# KiCad board data-center-ddr5-tester.kicad_pcb (continued)
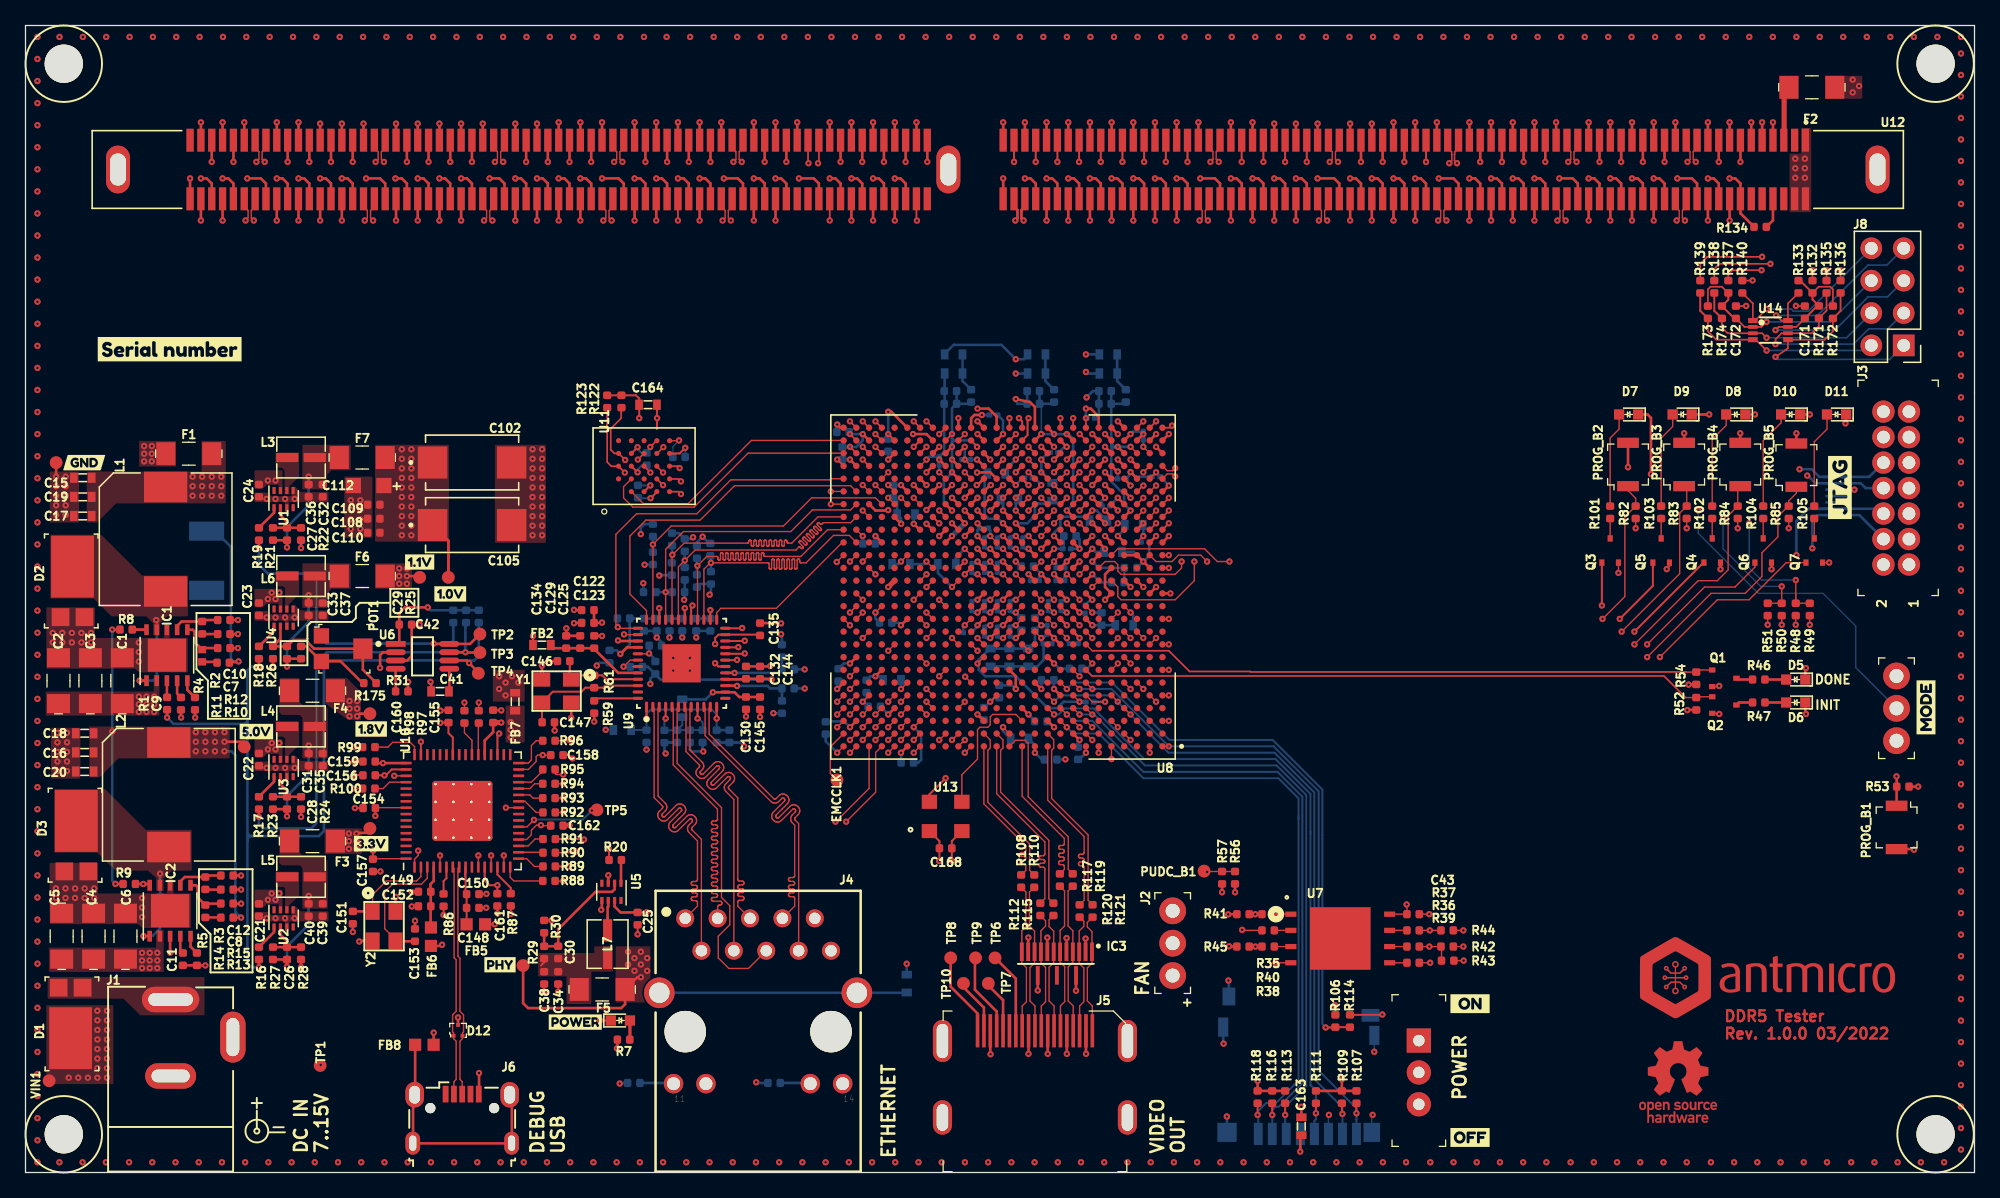
[diagram p0: board, top side]
## Routing (per net, layer and track width the routed paths; a pad name or vN(x,y) marks a point on that pad's centre or on a via; arc(x,y) is an arc through that point) (continued)
DQ25_A: length 53.5
  Top w0.2: U12.42 v4(104.7,79.3) ; U8.AE2 v4(88.64,57.94)
  In2.Cu w0.127: v4(88.64,57.94) 89.14,57.44 102.39,57.44 104.7,59.75 104.7,73.11 104.7,73.14 104.69,73.17 104.67,73.19 104.65,73.21 104.63,73.23 104.6,73.24 104.57,73.24 104.43,73.24 104.4,73.24 104.37,73.25 104.35,73.27 104.33,73.29 104.31,73.31 104.3,73.34 104.3,73.37 104.3,73.39 104.31,73.42 104.33,73.45 104.35,73.47 104.37,73.48 104.4,73.49 104.43,73.49 104.97,73.49 105,73.5 105.03,73.51 105.05,73.52 105.07,73.54 105.09,73.56 105.1,73.59 105.1,73.62 105.1,73.65 105.09,73.68 105.07,73.7 105.05,73.72 105.03,73.73 105,73.74 104.97,73.75 104.43,73.75 104.4,73.75 104.37,73.76 104.35,73.77 104.33,73.79 104.31,73.82 104.3,73.85 104.3,73.87 104.3,73.9 104.31,73.93 104.33,73.95 104.35,73.97 104.37,73.99 104.4,74 104.43,74 104.97,74 105,74 105.03,74.01 105.05,74.03 105.07,74.05 105.09,74.07 105.1,74.1 105.1,74.13 105.1,74.16 105.09,74.18 105.07,74.21 105.05,74.23 105.03,74.24 105,74.25 104.97,74.25 104.43,74.25 104.4,74.26 104.37,74.27 104.35,74.28 104.33,74.3 104.31,74.33 104.3,74.35 104.3,74.38 104.3,74.41 104.31,74.44 104.33,74.46 104.35,74.48 104.37,74.5 104.4,74.51 104.43,74.51 104.97,74.51 105,74.51 105.03,74.52 105.05,74.54 105.07,74.56 105.09,74.58 105.1,74.61 105.1,74.64 105.1,74.66 105.09,74.69 105.07,74.72 105.05,74.74 105.03,74.75 105,74.76 104.97,74.76 104.43,74.76 104.4,74.77 104.37,74.78 104.35,74.79 104.33,74.81 104.31,74.83 104.3,74.86 104.3,74.89 104.3,74.92 104.31,74.95 104.33,74.97 104.35,74.99 104.37,75 104.4,75.01 104.43,75.02 104.97,75.02 105,75.02 105.03,75.03 105.05,75.04 105.07,75.06 105.09,75.09 105.1,75.12 105.1,75.14 105.1,75.17 105.09,75.2 105.07,75.22 105.05,75.24 105.03,75.26 105,75.27 104.97,75.27 104.43,75.27 104.4,75.27 104.37,75.28 104.35,75.3 104.33,75.32 104.31,75.34 104.3,75.37 104.3,75.4 104.3,75.43 104.31,75.45 104.33,75.48 104.35,75.5 104.37,75.51 104.4,75.52 104.43,75.53 104.97,75.53 105,75.53 105.03,75.54 105.05,75.55 105.07,75.57 105.09,75.6 105.1,75.62 105.1,75.65 105.1,75.68 105.09,75.71 105.07,75.73 105.05,75.75 105.03,75.77 105,75.78 104.97,75.78 104.43,75.78 104.4,75.78 104.37,75.79 104.35,75.81 104.33,75.83 104.31,75.85 104.3,75.88 104.3,75.91 104.3,75.93 104.31,75.96 104.33,75.99 104.35,76.01 104.37,76.02 104.4,76.03 104.43,76.03 104.97,76.03 105,76.04 105.03,76.05 105.05,76.06 105.07,76.08 105.09,76.1 105.1,76.13 105.1,76.16 105.1,76.19 105.09,76.22 105.07,76.24 105.05,76.26 105.03,76.27 105,76.28 104.97,76.29 104.43,76.29 104.4,76.29 104.37,76.3 104.35,76.31 104.33,76.33 104.31,76.36 104.3,76.39 104.3,76.41 104.3,76.44 104.31,76.47 104.33,76.49 104.35,76.51 104.37,76.53 104.4,76.54 104.43,76.54 104.97,76.54 105,76.54 105.03,76.55 105.05,76.57 105.07,76.59 105.09,76.61 105.1,76.64 105.1,76.67 105.1,76.7 105.09,76.72 105.07,76.75 105.05,76.77 105.03,76.78 105,76.79 104.97,76.8 104.43,76.8 104.4,76.8 104.37,76.81 104.35,76.82 104.33,76.84 104.31,76.87 104.3,76.89 104.3,76.92 104.3,76.95 104.31,76.98 104.33,77 104.35,77.02 104.37,77.04 104.4,77.05 104.43,77.05 104.97,77.05 105,77.05 105.03,77.06 105.05,77.08 105.07,77.1 105.09,77.12 105.1,77.15 105.1,77.18 105.1,77.2 105.09,77.23 105.07,77.26 105.05,77.28 105.03,77.29 105,77.3 104.97,77.3 104.43,77.3 104.4,77.31 104.37,77.32 104.35,77.33 104.33,77.35 104.31,77.37 104.3,77.4 104.3,77.43 104.3,77.46 104.31,77.49 104.33,77.51 104.35,77.53 104.37,77.54 104.4,77.55 104.43,77.56 104.97,77.56 105,77.56 105.03,77.57 105.05,77.58 105.07,77.6 105.09,77.63 105.1,77.66 105.1,77.68 105.1,77.71 105.09,77.74 105.07,77.76 105.05,77.78 105.03,77.8 105,77.81 104.97,77.81 104.43,77.81 104.4,77.81 104.37,77.82 104.35,77.84 104.33,77.86 104.31,77.88 104.3,77.91 104.3,77.94 104.3,77.97 104.31,77.99 104.33,78.02 104.35,78.04 104.37,78.05 104.4,78.06 104.43,78.06 104.97,78.06 105,78.07 105.03,78.08 105.05,78.09 105.07,78.11 105.09,78.14 105.1,78.16 105.1,78.19 105.1,78.22 105.09,78.25 105.07,78.27 105.05,78.29 105.03,78.31 105,78.32 104.97,78.32 104.43,78.32 104.4,78.32 104.37,78.33 104.35,78.35 104.33,78.37 104.31,78.39 104.3,78.42 104.3,78.45 104.3,78.47 104.31,78.5 104.33,78.53 104.35,78.55 104.37,78.56 104.4,78.57 104.43,78.57 104.57,78.57 104.6,78.58 104.63,78.59 104.65,78.6 104.67,78.62 104.69,78.64 104.7,78.67 104.7,78.7 v4(104.7,79.3)
DQ25_B: length 77.3
  Top w0.2: U12.135 v1(20.55,79.3) ; U8.Y17 v1(72.64,52.94)
  In7.Cu w0.127: v1(20.55,79.3) 20.55,78.95 20.55,78.92 20.54,78.89 20.52,78.87 20.5,78.85 20.48,78.84 20.45,78.83 20.42,78.82 20.24,78.82 20.21,78.82 20.19,78.81 20.16,78.8 20.14,78.78 20.13,78.75 20.12,78.72 20.12,78.7 20.12,78.67 20.13,78.64 20.14,78.62 20.16,78.6 20.19,78.58 20.21,78.57 20.24,78.57 20.86,78.57 20.89,78.57 20.91,78.56 20.94,78.54 20.96,78.52 20.97,78.5 20.98,78.47 20.98,78.44 20.98,78.41 20.97,78.39 20.96,78.36 20.94,78.34 20.91,78.33 20.89,78.32 20.86,78.31 20.24,78.31 20.21,78.31 20.19,78.3 20.16,78.29 20.14,78.27 20.13,78.24 20.12,78.22 20.12,78.19 20.12,78.16 20.13,78.13 20.14,78.11 20.16,78.09 20.19,78.07 20.21,78.06 20.24,78.06 20.81,78.06 20.84,78.06 20.86,78.05 20.89,78.03 20.91,78.01 20.92,77.99 20.93,77.96 20.93,77.93 20.93,77.91 20.92,77.88 20.91,77.85 20.89,77.83 20.86,77.82 20.84,77.81 20.81,77.81 20.24,77.81 20.21,77.8 20.19,77.79 20.16,77.78 20.14,77.76 20.13,77.74 20.12,77.71 20.12,77.68 20.12,77.65 20.13,77.62 20.14,77.6 20.16,77.58 20.19,77.57 20.21,77.56 20.24,77.55 20.86,77.55 20.89,77.55 20.91,77.54 20.94,77.53 20.96,77.51 20.97,77.48 20.98,77.45 20.98,77.43 20.98,77.4 20.97,77.37 20.96,77.35 20.94,77.33 20.91,77.31 20.89,77.3 20.86,77.3 20.24,77.3 20.21,77.3 20.19,77.29 20.16,77.27 20.14,77.25 20.13,77.23 20.12,77.2 20.12,77.17 20.12,77.14 20.13,77.12 20.14,77.09 20.16,77.07 20.19,77.06 20.21,77.05 20.24,77.05 20.86,77.05 20.89,77.04 20.91,77.03 20.94,77.02 20.96,77 20.97,76.97 20.98,76.95 20.98,76.92 20.98,76.89 20.97,76.86 20.96,76.84 20.94,76.82 20.91,76.8 20.89,76.79 20.86,76.79 20.24,76.79 20.21,76.79 20.19,76.78 20.16,76.76 20.14,76.74 20.13,76.72 20.12,76.69 20.12,76.66 20.12,76.64 20.13,76.61 20.14,76.58 20.16,76.56 20.19,76.55 20.21,76.54 20.24,76.54 20.86,76.54 20.89,76.53 20.91,76.52 20.94,76.51 20.96,76.49 20.97,76.47 20.98,76.44 20.98,76.41 20.98,76.38 20.97,76.35 20.96,76.33 20.94,76.31 20.91,76.3 20.89,76.29 20.86,76.28 20.24,76.28 20.21,76.28 20.19,76.27 20.16,76.26 20.14,76.24 20.13,76.21 20.12,76.18 20.12,76.16 20.12,76.13 20.13,76.1 20.14,76.08 20.16,76.06 20.19,76.04 20.21,76.03 20.24,76.03 20.86,76.03 20.89,76.03 20.91,76.02 20.94,76 20.96,75.98 20.97,75.96 20.98,75.93 20.98,75.9 20.98,75.87 20.97,75.85 20.96,75.82 20.94,75.8 20.91,75.79 20.89,75.78 20.86,75.78 20.68,75.78 20.65,75.77 20.62,75.76 20.6,75.75 20.58,75.73 20.56,75.7 20.55,75.68 20.55,75.65 20.55,74.28 30.64,64.19 52.39,64.19 63.64,52.94 v1(72.64,52.94)
DQ26_A: length 53.5
  Top w0.2: U12.185 v4(105.55,74.7) ; U8.AD1 v4(88.64,56.94)
  In2.Cu w0.127: v4(105.55,74.7) 105.55,73.25 105.55,73.22 105.54,73.19 105.52,73.17 105.5,73.15 105.48,73.14 105.45,73.13 105.42,73.12 105.28,73.12 105.26,73.12 105.23,73.11 105.2,73.1 105.18,73.08 105.17,73.05 105.16,73.02 105.16,73 105.16,72.97 105.17,72.94 105.18,72.92 105.2,72.9 105.23,72.88 105.26,72.87 105.28,72.87 105.82,72.87 105.84,72.87 105.87,72.86 105.9,72.84 105.92,72.82 105.93,72.8 105.94,72.77 105.94,72.74 105.94,72.71 105.93,72.69 105.92,72.66 105.9,72.64 105.87,72.63 105.84,72.62 105.82,72.62 105.28,72.62 105.26,72.61 105.23,72.6 105.2,72.59 105.18,72.57 105.17,72.54 105.16,72.52 105.16,72.49 105.16,72.46 105.17,72.43 105.18,72.41 105.2,72.39 105.23,72.37 105.26,72.36 105.28,72.36 105.82,72.36 105.84,72.36 105.87,72.35 105.9,72.33 105.92,72.31 105.93,72.29 105.94,72.26 105.94,72.23 105.94,72.21 105.93,72.18 105.92,72.15 105.9,72.13 105.87,72.12 105.84,72.11 105.82,72.11 105.28,72.11 105.26,72.1 105.23,72.09 105.2,72.08 105.18,72.06 105.17,72.04 105.16,72.01 105.16,71.98 105.16,71.95 105.17,71.92 105.18,71.9 105.2,71.88 105.23,71.87 105.26,71.86 105.28,71.85 105.82,71.85 105.84,71.85 105.87,71.84 105.9,71.83 105.92,71.81 105.93,71.78 105.94,71.75 105.94,71.73 105.94,71.7 105.93,71.67 105.92,71.65 105.9,71.63 105.87,71.61 105.84,71.6 105.82,71.6 105.28,71.6 105.26,71.6 105.23,71.59 105.2,71.57 105.18,71.55 105.17,71.53 105.16,71.5 105.16,71.47 105.16,71.44 105.17,71.42 105.18,71.39 105.2,71.37 105.23,71.36 105.26,71.35 105.28,71.34 105.82,71.34 105.84,71.34 105.87,71.33 105.9,71.32 105.92,71.3 105.93,71.27 105.94,71.25 105.94,71.22 105.94,71.19 105.93,71.16 105.92,71.14 105.9,71.12 105.87,71.1 105.84,71.09 105.82,71.09 105.28,71.09 105.26,71.09 105.23,71.08 105.2,71.06 105.18,71.04 105.17,71.02 105.16,70.99 105.16,70.96 105.16,70.94 105.17,70.91 105.18,70.88 105.2,70.86 105.23,70.85 105.26,70.84 105.28,70.84 105.82,70.84 105.84,70.83 105.87,70.82 105.9,70.81 105.92,70.79 105.93,70.77 105.94,70.74 105.94,70.71 105.94,70.68 105.93,70.65 105.92,70.63 105.9,70.61 105.87,70.6 105.84,70.59 105.82,70.58 105.28,70.58 105.26,70.58 105.23,70.57 105.2,70.56 105.18,70.54 105.17,70.51 105.16,70.48 105.16,70.46 105.16,70.43 105.17,70.4 105.18,70.38 105.2,70.36 105.23,70.34 105.26,70.33 105.28,70.33 105.82,70.33 105.84,70.33 105.87,70.32 105.9,70.3 105.92,70.28 105.93,70.26 105.94,70.23 105.94,70.2 105.94,70.17 105.93,70.15 105.92,70.12 105.9,70.1 105.87,70.09 105.84,70.08 105.82,70.08 105.28,70.08 105.26,70.07 105.23,70.06 105.2,70.05 105.18,70.03 105.17,70 105.16,69.98 105.16,69.95 105.16,69.92 105.17,69.89 105.18,69.87 105.2,69.85 105.23,69.83 105.26,69.82 105.28,69.82 105.82,69.82 105.84,69.82 105.87,69.81 105.9,69.79 105.92,69.77 105.93,69.75 105.94,69.72 105.94,69.69 105.94,69.67 105.93,69.64 105.92,69.61 105.9,69.59 105.87,69.58 105.84,69.57 105.82,69.57 105.28,69.57 105.26,69.56 105.23,69.55 105.2,69.54 105.18,69.52 105.17,69.5 105.16,69.47 105.16,69.44 105.16,69.41 105.17,69.38 105.18,69.36 105.2,69.34 105.23,69.33 105.26,69.32 105.28,69.31 105.82,69.31 105.84,69.31 105.87,69.3 105.9,69.29 105.92,69.27 105.93,69.24 105.94,69.21 105.94,69.19 105.94,69.16 105.93,69.13 105.92,69.11 105.9,69.09 105.87,69.07 105.84,69.06 105.82,69.06 105.28,69.06 105.26,69.06 105.23,69.05 105.2,69.03 105.18,69.01 105.17,68.99 105.16,68.96 105.16,68.93 105.16,68.9 105.17,68.88 105.18,68.85 105.2,68.83 105.23,68.82 105.26,68.81 105.28,68.81 105.82,68.81 105.84,68.8 105.87,68.79 105.9,68.78 105.92,68.76 105.93,68.73 105.94,68.71 105.94,68.68 105.94,68.65 105.93,68.62 105.92,68.6 105.9,68.58 105.87,68.56 105.84,68.55 105.82,68.55 105.28,68.55 105.26,68.55 105.23,68.54 105.2,68.52 105.18,68.5 105.17,68.48 105.16,68.45 105.16,68.42 105.16,68.4 105.17,68.37 105.18,68.34 105.2,68.32 105.23,68.31 105.26,68.3 105.28,68.3 105.82,68.3 105.84,68.29 105.87,68.28 105.9,68.27 105.92,68.25 105.93,68.23 105.94,68.2 105.94,68.17 105.94,68.14 105.93,68.11 105.92,68.09 105.9,68.07 105.87,68.06 105.84,68.05 105.82,68.04 105.28,68.04 105.26,68.04 105.23,68.03 105.2,68.02 105.18,68 105.17,67.97 105.16,67.94 105.16,67.92 105.16,67.89 105.17,67.86 105.18,67.84 105.2,67.82 105.23,67.8 105.26,67.79 105.28,67.79 105.82,67.79 105.84,67.79 105.87,67.78 105.9,67.76 105.92,67.74 105.93,67.72 105.94,67.69 105.94,67.66 105.94,67.63 105.93,67.61 105.92,67.58 105.9,67.56 105.87,67.55 105.84,67.54 105.82,67.53 105.28,67.53 105.26,67.53 105.23,67.52 105.2,67.51 105.18,67.49 105.17,67.46 105.16,67.44 105.16,67.41 105.16,67.38 105.17,67.35 105.18,67.33 105.2,67.31 105.23,67.29 105.26,67.28 105.28,67.28 105.82,67.28 105.84,67.28 105.87,67.27 105.9,67.25 105.92,67.23 105.93,67.21 105.94,67.18 105.94,67.15 105.94,67.13 105.93,67.1 105.92,67.07 105.9,67.05 105.87,67.04 105.84,67.03 105.82,67.03 105.28,67.03 105.26,67.02 105.23,67.01 105.2,67 105.18,66.98 105.17,66.96 105.16,66.93 105.16,66.9 105.16,66.87 105.17,66.84 105.18,66.82 105.2,66.8 105.23,66.79 105.26,66.78 105.28,66.77 105.82,66.77 105.84,66.77 105.87,66.76 105.9,66.75 105.92,66.73 105.93,66.7 105.94,66.67 105.94,66.65 105.94,66.62 105.93,66.59 105.92,66.57 105.9,66.55 105.87,66.53 105.84,66.52 105.82,66.52 105.28,66.52 105.26,66.52 105.23,66.51 105.2,66.49 105.18,66.47 105.17,66.45 105.16,66.42 105.16,66.39 105.16,66.36 105.17,66.34 105.18,66.31 105.2,66.29 105.23,66.28 105.26,66.27 105.28,66.27 105.42,66.27 105.45,66.26 105.48,66.25 105.5,66.24 105.52,66.22 105.54,66.19 105.55,66.17 105.55,66.14 105.55,59.85 102.64,56.94 v4(88.64,56.94)
DQ26_B: length 77.3
  Top w0.2: U12.278 v1(21.4,74.7) ; U8.W15 v1(74.64,51.94)
  In7.Cu w0.127: v1(74.64,51.94) 74.14,52.44 74.14,53.31 74.01,53.44 63.89,53.44 52.64,64.69 30.89,64.69 27.42,68.16 27.4,68.18 27.39,68.21 27.38,68.23 27.38,68.26 27.39,68.29 27.4,68.31 27.42,68.34 27.48,68.4 27.5,68.42 27.51,68.45 27.52,68.47 27.52,68.5 27.51,68.53 27.5,68.56 27.48,68.58 27.46,68.6 27.43,68.61 27.4,68.61 27.38,68.61 27.35,68.61 27.32,68.6 27.3,68.58 27.03,68.31 27.01,68.29 26.99,68.28 26.96,68.27 26.93,68.27 26.9,68.28 26.88,68.29 26.85,68.31 26.84,68.33 26.82,68.36 26.82,68.39 26.82,68.41 26.82,68.44 26.84,68.47 26.85,68.49 27.12,68.76 27.14,68.78 27.15,68.81 27.16,68.83 27.16,68.86 27.15,68.89 27.14,68.91 27.12,68.94 27.1,68.95 27.07,68.97 27.05,68.97 27.02,68.97 26.99,68.97 26.96,68.95 26.94,68.94 26.67,68.67 26.65,68.65 26.63,68.64 26.6,68.63 26.57,68.63 26.54,68.64 26.52,68.65 26.5,68.67 26.48,68.69 26.46,68.72 26.46,68.75 26.46,68.77 26.46,68.8 26.48,68.83 26.5,68.85 26.76,69.12 26.78,69.14 26.79,69.16 26.8,69.19 26.8,69.22 26.79,69.25 26.78,69.27 26.76,69.3 26.74,69.31 26.71,69.33 26.69,69.33 26.66,69.33 26.63,69.33 26.6,69.31 26.58,69.3 26.32,69.03 26.29,69.01 26.27,69 26.24,68.99 26.21,68.99 26.18,69 26.16,69.01 26.14,69.03 26.12,69.05 26.11,69.08 26.1,69.1 26.1,69.13 26.11,69.16 26.12,69.19 26.14,69.21 26.4,69.48 26.42,69.5 26.43,69.52 26.44,69.55 26.44,69.58 26.43,69.61 26.42,69.63 26.4,69.66 26.38,69.67 26.35,69.69 26.33,69.69 26.3,69.69 26.27,69.69 26.25,69.67 26.22,69.66 25.96,69.39 25.93,69.37 25.91,69.36 25.88,69.35 25.85,69.35 25.82,69.36 25.8,69.37 25.78,69.39 25.76,69.41 25.75,69.44 25.74,69.46 25.74,69.49 25.75,69.52 25.76,69.55 25.78,69.57 26.04,69.84 26.06,69.86 26.07,69.88 26.08,69.91 26.08,69.94 26.07,69.97 26.06,69.99 26.04,70.01 26.02,70.03 26,70.04 25.97,70.05 25.94,70.05 25.91,70.04 25.89,70.03 25.86,70.01 25.6,69.75 25.57,69.73 25.55,69.72 25.52,69.71 25.49,69.71 25.47,69.72 25.44,69.73 25.42,69.75 25.4,69.77 25.39,69.8 25.38,69.82 25.38,69.85 25.39,69.88 25.4,69.91 25.42,69.93 25.68,70.19 25.7,70.22 25.71,70.24 25.72,70.27 25.72,70.3 25.71,70.33 25.7,70.35 25.68,70.37 25.66,70.39 25.64,70.4 25.61,70.41 25.58,70.41 25.55,70.4 25.53,70.39 25.5,70.37 25.24,70.11 25.22,70.09 25.19,70.08 25.16,70.07 25.13,70.07 25.11,70.08 25.08,70.09 25.06,70.11 25.04,70.13 25.03,70.15 25.02,70.18 25.02,70.21 25.03,70.24 25.04,70.26 25.06,70.29 25.33,70.55 25.34,70.58 25.36,70.6 25.36,70.63 25.36,70.66 25.36,70.69 25.34,70.71 25.33,70.73 25.3,70.75 25.28,70.76 25.25,70.77 25.22,70.77 25.19,70.76 25.17,70.75 25.15,70.73 24.88,70.47 24.86,70.45 24.83,70.44 24.8,70.43 24.77,70.43 24.75,70.44 24.72,70.45 24.7,70.47 24.68,70.49 24.67,70.51 24.66,70.54 24.66,70.57 24.67,70.6 24.68,70.62 24.7,70.65 24.97,70.91 24.98,70.93 25,70.96 25,70.99 25,71.02 25,71.04 24.98,71.07 24.97,71.09 24.94,71.11 24.92,71.12 24.89,71.13 24.86,71.13 24.83,71.12 24.81,71.11 24.79,71.09 24.52,70.83 24.5,70.81 24.47,70.8 24.44,70.79 24.42,70.79 24.39,70.8 24.36,70.81 24.34,70.83 24.32,70.85 24.31,70.87 24.3,70.9 24.3,70.93 24.31,70.96 24.32,70.98 24.34,71 24.61,71.27 24.62,71.29 24.64,71.32 24.64,71.35 24.64,71.38 24.64,71.4 24.62,71.43 24.61,71.45 24.58,71.47 24.56,71.48 24.53,71.49 24.5,71.49 24.48,71.48 24.45,71.47 24.43,71.45 24.16,71.18 24.14,71.17 24.11,71.15 24.08,71.15 24.06,71.15 24.03,71.15 24,71.17 23.98,71.18 23.96,71.21 23.95,71.23 23.94,71.26 23.94,71.29 23.95,71.32 23.96,71.34 23.98,71.36 24.25,71.63 24.27,71.65 24.28,71.68 24.28,71.71 24.28,71.74 24.28,71.76 24.27,71.79 24.25,71.81 24.23,71.83 24.2,71.84 24.17,71.85 24.14,71.85 24.12,71.84 24.09,71.83 24.07,71.81 23.8,71.54 23.78,71.53 23.75,71.51 23.73,71.51 23.7,71.51 23.67,71.51 23.64,71.53 23.62,71.54 23.6,71.57 23.59,71.59 23.58,71.62 23.58,71.65 23.59,71.68 23.6,71.7 23.62,71.72 23.89,71.99 23.91,72.01 23.92,72.04 23.92,72.07 23.92,72.09 23.92,72.12 23.91,72.15 23.89,72.17 23.87,72.19 23.84,72.2 23.81,72.21 23.78,72.21 23.76,72.2 23.73,72.19 23.71,72.17 23.44,71.9 23.42,71.89 23.39,71.87 23.37,71.87 23.34,71.87 23.31,71.87 23.28,71.89 23.26,71.9 23.24,71.93 23.23,71.95 23.23,71.98 23.23,72.01 23.23,72.03 23.24,72.06 23.26,72.08 23.29,72.11 23.31,72.13 23.32,72.16 23.32,72.18 23.32,72.21 23.32,72.24 23.31,72.27 23.29,72.29 21.4,74.18 v1(21.4,74.7)
DQ27_A: length 53.5
  Top w0.2: U12.187 v4(103.85,74.7) ; U8.AE1 v4(89.64,57.94)
  In2.Cu w0.127: v4(103.85,74.7) 103.85,73.05 103.85,73.02 103.84,72.99 103.82,72.97 103.8,72.95 103.78,72.94 103.75,72.93 103.72,72.92 103.58,72.92 103.55,72.92 103.52,72.91 103.5,72.9 103.48,72.88 103.47,72.85 103.46,72.82 103.45,72.8 103.46,72.77 103.47,72.74 103.48,72.72 103.5,72.7 103.52,72.68 103.55,72.67 103.58,72.67 104.12,72.67 104.15,72.67 104.18,72.66 104.2,72.64 104.22,72.62 104.23,72.6 104.24,72.57 104.25,72.54 104.24,72.51 104.23,72.49 104.22,72.46 104.2,72.44 104.18,72.43 104.15,72.42 104.12,72.41 103.58,72.41 103.55,72.41 103.52,72.4 103.5,72.39 103.48,72.37 103.47,72.34 103.46,72.32 103.45,72.29 103.46,72.26 103.47,72.23 103.48,72.21 103.5,72.19 103.52,72.17 103.55,72.16 103.58,72.16 104.12,72.16 104.15,72.16 104.18,72.15 104.2,72.13 104.22,72.11 104.23,72.09 104.24,72.06 104.25,72.03 104.24,72.01 104.23,71.98 104.22,71.95 104.2,71.93 104.18,71.92 104.15,71.91 104.12,71.91 103.58,71.91 103.55,71.9 103.52,71.89 103.5,71.88 103.48,71.86 103.47,71.84 103.46,71.81 103.45,71.78 103.46,71.75 103.47,71.72 103.48,71.7 103.5,71.68 103.52,71.67 103.55,71.66 103.58,71.65 104.12,71.65 104.15,71.65 104.18,71.64 104.2,71.63 104.22,71.61 104.23,71.58 104.24,71.55 104.25,71.53 104.24,71.5 104.23,71.47 104.22,71.45 104.2,71.43 104.18,71.41 104.15,71.4 104.12,71.4 103.58,71.4 103.55,71.4 103.52,71.39 103.5,71.37 103.48,71.35 103.47,71.33 103.46,71.3 103.45,71.27 103.46,71.24 103.47,71.22 103.48,71.19 103.5,71.17 103.52,71.16 103.55,71.15 103.58,71.14 104.12,71.14 104.15,71.14 104.18,71.13 104.2,71.12 104.22,71.1 104.23,71.07 104.24,71.05 104.25,71.02 104.24,70.99 104.23,70.96 104.22,70.94 104.2,70.92 104.18,70.9 104.15,70.89 104.12,70.89 103.58,70.89 103.55,70.89 103.52,70.88 103.5,70.86 103.48,70.84 103.47,70.82 103.46,70.79 103.45,70.76 103.46,70.74 103.47,70.71 103.48,70.68 103.5,70.66 103.52,70.65 103.55,70.64 103.58,70.64 104.12,70.64 104.15,70.63 104.18,70.62 104.2,70.61 104.22,70.59 104.23,70.57 104.24,70.54 104.25,70.51 104.24,70.48 104.23,70.45 104.22,70.43 104.2,70.41 104.18,70.4 104.15,70.39 104.12,70.38 103.58,70.38 103.55,70.38 103.52,70.37 103.5,70.36 103.48,70.34 103.47,70.31 103.46,70.28 103.45,70.26 103.46,70.23 103.47,70.2 103.48,70.18 103.5,70.16 103.52,70.14 103.55,70.13 103.58,70.13 104.12,70.13 104.15,70.13 104.18,70.12 104.2,70.1 104.22,70.08 104.23,70.06 104.24,70.03 104.25,70 104.24,69.97 104.23,69.95 104.22,69.92 104.2,69.9 104.18,69.89 104.15,69.88 104.12,69.88 103.58,69.88 103.55,69.87 103.52,69.86 103.5,69.85 103.48,69.83 103.47,69.8 103.46,69.78 103.45,69.75 103.46,69.72 103.47,69.69 103.48,69.67 103.5,69.65 103.52,69.63 103.55,69.62 103.58,69.62 104.12,69.62 104.15,69.62 104.18,69.61 104.2,69.59 104.22,69.57 104.23,69.55 104.24,69.52 104.25,69.49 104.24,69.47 104.23,69.44 104.22,69.41 104.2,69.39 104.18,69.38 104.15,69.37 104.12,69.37 103.58,69.37 103.55,69.36 103.52,69.35 103.5,69.34 103.48,69.32 103.47,69.3 103.46,69.27 103.45,69.24 103.46,69.21 103.47,69.18 103.48,69.16 103.5,69.14 103.52,69.13 103.55,69.12 103.58,69.11 104.12,69.11 104.15,69.11 104.18,69.1 104.2,69.09 104.22,69.07 104.23,69.04 104.24,69.01 104.25,68.99 104.24,68.96 104.23,68.93 104.22,68.91 104.2,68.89 104.18,68.87 104.15,68.86 104.12,68.86 103.58,68.86 103.55,68.86 103.52,68.85 103.5,68.83 103.48,68.81 103.47,68.79 103.46,68.76 103.45,68.73 103.46,68.7 103.47,68.68 103.48,68.65 103.5,68.63 103.52,68.62 103.55,68.61 103.58,68.61 104.12,68.61 104.15,68.6 104.18,68.59 104.2,68.58 104.22,68.56 104.23,68.53 104.24,68.51 104.25,68.48 104.24,68.45 104.23,68.42 104.22,68.4 104.2,68.38 104.18,68.36 104.15,68.35 104.12,68.35 103.58,68.35 103.55,68.35 103.52,68.34 103.5,68.32 103.48,68.3 103.47,68.28 103.46,68.25 103.45,68.22 103.46,68.2 103.47,68.17 103.48,68.14 103.5,68.12 103.52,68.11 103.55,68.1 103.58,68.1 104.12,68.1 104.15,68.09 104.18,68.08 104.2,68.07 104.22,68.05 104.23,68.03 104.24,68 104.25,67.97 104.24,67.94 104.23,67.91 104.22,67.89 104.2,67.87 104.18,67.86 104.15,67.85 104.12,67.84 103.58,67.84 103.55,67.84 103.52,67.83 103.5,67.82 103.48,67.8 103.47,67.77 103.46,67.74 103.45,67.72 103.46,67.69 103.47,67.66 103.48,67.64 103.5,67.62 103.52,67.6 103.55,67.59 103.58,67.59 104.12,67.59 104.15,67.59 104.18,67.58 104.2,67.56 104.22,67.54 104.23,67.52 104.24,67.49 104.25,67.46 104.24,67.43 104.23,67.41 104.22,67.38 104.2,67.36 104.18,67.35 104.15,67.34 104.12,67.33 103.58,67.33 103.55,67.33 103.52,67.32 103.5,67.31 103.48,67.29 103.47,67.26 103.46,67.24 103.45,67.21 103.46,67.18 103.47,67.15 103.48,67.13 103.5,67.11 103.52,67.09 103.55,67.08 103.58,67.08 104.12,67.08 104.15,67.08 104.18,67.07 104.2,67.05 104.22,67.03 104.23,67.01 104.24,66.98 104.25,66.95 104.24,66.93 104.23,66.9 104.22,66.87 104.2,66.85 104.18,66.84 104.15,66.83 104.12,66.83 103.58,66.83 103.55,66.82 103.52,66.81 103.5,66.8 103.48,66.78 103.47,66.76 103.46,66.73 103.45,66.7 103.46,66.67 103.47,66.64 103.48,66.62 103.5,66.6 103.52,66.59 103.55,66.58 103.58,66.57 104.12,66.57 104.15,66.57 104.18,66.56 104.2,66.55 104.22,66.53 104.23,66.5 104.24,66.47 104.25,66.45 104.24,66.42 104.23,66.39 104.22,66.37 104.2,66.35 104.18,66.33 104.15,66.32 104.12,66.32 103.58,66.32 103.55,66.32 103.52,66.31 103.5,66.29 103.48,66.27 103.47,66.25 103.46,66.22 103.45,66.19 103.46,66.16 103.47,66.14 103.48,66.11 103.5,66.09 103.52,66.08 103.55,66.07 103.58,66.06 104.12,66.06 104.15,66.06 104.18,66.05 104.2,66.04 104.22,66.02 104.23,65.99 104.24,65.97 104.25,65.94 104.24,65.91 104.23,65.88 104.22,65.86 104.2,65.84 104.18,65.82 104.15,65.81 104.12,65.81 103.58,65.81 103.55,65.81 103.52,65.8 103.5,65.78 103.48,65.76 103.47,65.74 103.46,65.71 103.45,65.68 103.46,65.66 103.47,65.63 103.48,65.6 103.5,65.58 103.52,65.57 103.55,65.56 103.58,65.56 104.12,65.56 104.15,65.55 104.18,65.54 104.2,65.53 104.22,65.51 104.23,65.49 104.24,65.46 104.25,65.43 104.24,65.4 104.23,65.37 104.22,65.35 104.2,65.33 104.18,65.32 104.15,65.31 104.12,65.3 103.58,65.3 103.55,65.3 103.52,65.29 103.5,65.28 103.48,65.26 103.47,65.23 103.46,65.2 103.45,65.18 103.46,65.15 103.47,65.12 103.48,65.1 103.5,65.08 103.52,65.06 103.55,65.05 103.58,65.05 103.72,65.05 103.75,65.05 103.78,65.04 103.8,65.02 103.82,65 103.84,64.98 103.85,64.95 103.85,64.92 103.85,59.65 102.14,57.94 v4(89.64,57.94)
DQ27_B: length 77.3
  Top w0.2: U12.280 v1(19.7,74.7) ; U8.W16 v1(73.64,51.94)
  In7.Cu w0.127: v1(73.64,51.94) 73.14,52.44 63.39,52.44 52.14,63.69 30.39,63.69 24.65,69.42 24.64,69.45 24.62,69.47 24.62,69.5 24.62,69.53 24.62,69.55 24.64,69.58 24.65,69.6 24.68,69.63 24.7,69.65 24.71,69.68 24.72,69.71 24.72,69.73 24.71,69.76 24.7,69.79 24.68,69.81 24.66,69.83 24.63,69.84 24.6,69.85 24.58,69.85 24.55,69.84 24.52,69.83 24.5,69.81 24.27,69.58 24.24,69.56 24.22,69.55 24.19,69.54 24.16,69.54 24.14,69.55 24.11,69.56 24.09,69.58 24.07,69.6 24.06,69.62 24.05,69.65 24.05,69.68 24.06,69.71 24.07,69.73 24.09,69.75 24.32,69.99 24.34,70.01 24.35,70.04 24.36,70.06 24.36,70.09 24.35,70.12 24.34,70.15 24.32,70.17 24.3,70.19 24.27,70.2 24.25,70.21 24.22,70.21 24.19,70.2 24.16,70.19 24.14,70.17 23.91,69.93 23.89,69.92 23.86,69.9 23.83,69.9 23.8,69.9 23.78,69.9 23.75,69.92 23.73,69.93 23.71,69.96 23.7,69.98 23.69,70.01 23.69,70.04 23.7,70.07 23.71,70.09 23.73,70.11 23.96,70.35 23.98,70.37 23.99,70.4 24,70.42 24,70.45 23.99,70.48 23.98,70.51 23.96,70.53 23.94,70.55 23.91,70.56 23.89,70.56 23.86,70.56 23.83,70.56 23.8,70.55 23.78,70.53 23.55,70.29 23.53,70.28 23.5,70.26 23.47,70.26 23.44,70.26 23.42,70.26 23.39,70.28 23.37,70.29 23.35,70.32 23.34,70.34 23.33,70.37 23.33,70.4 23.34,70.43 23.35,70.45 23.37,70.47 23.6,70.71 23.62,70.73 23.63,70.76 23.64,70.78 23.64,70.81 23.63,70.84 23.62,70.86 23.6,70.89 23.58,70.9 23.56,70.92 23.53,70.92 23.5,70.92 23.47,70.92 23.45,70.9 23.42,70.89 23.19,70.65 23.17,70.64 23.14,70.62 23.11,70.62 23.09,70.62 23.06,70.62 23.03,70.64 23.01,70.65 22.99,70.68 22.98,70.7 22.97,70.73 22.97,70.76 22.98,70.78 22.99,70.81 23.01,70.83 23.24,71.07 23.26,71.09 23.27,71.11 23.28,71.14 23.28,71.17 23.27,71.2 23.26,71.22 23.24,71.25 23.22,71.26 23.2,71.28 23.17,71.28 23.14,71.28 23.11,71.28 23.09,71.26 23.06,71.25 22.83,71.01 22.81,70.99 22.78,70.98 22.75,70.98 22.73,70.98 22.7,70.98 22.67,70.99 22.65,71.01 22.63,71.03 22.62,71.06 22.61,71.09 22.61,71.12 22.62,71.14 22.63,71.17 22.65,71.19 22.88,71.43 22.9,71.45 22.91,71.47 22.92,71.5 22.92,71.53 22.91,71.56 22.9,71.58 22.88,71.61 22.86,71.62 22.84,71.64 22.81,71.64 22.78,71.64 22.75,71.64 22.73,71.62 22.7,71.61 22.47,71.37 22.45,71.35 22.42,71.34 22.4,71.34 22.37,71.34 22.34,71.34 22.31,71.35 22.29,71.37 22.27,71.39 22.26,71.42 22.25,71.45 22.25,71.48 22.26,71.5 22.27,71.53 22.29,71.55 22.53,71.79 22.54,71.81 22.56,71.83 22.56,71.86 22.56,71.89 22.56,71.92 22.54,71.94 22.53,71.96 22.5,71.98 22.48,71.99 22.45,72 22.42,72 22.39,71.99 22.37,71.98 22.35,71.96 22.11,71.73 22.09,71.71 22.06,71.7 22.04,71.69 22.01,71.69 21.98,71.7 21.95,71.71 21.93,71.73 21.91,71.75 21.9,71.78 21.9,71.81 21.9,71.83 21.9,71.86 21.91,71.89 21.93,71.91 22.17,72.14 22.18,72.17 22.2,72.19 22.2,72.22 22.2,72.25 22.2,72.28 22.18,72.3 22.17,72.32 22.14,72.34 22.12,72.35 22.09,72.36 22.06,72.36 22.03,72.35 22.01,72.34 21.99,72.32 21.75,72.09 21.73,72.07 21.7,72.06 21.68,72.05 21.65,72.05 21.62,72.06 21.59,72.07 21.57,72.09 21.55,72.11 21.54,72.14 21.54,72.17 21.54,72.19 21.54,72.22 21.55,72.25 21.57,72.27 21.81,72.5 21.82,72.53 21.84,72.55 21.84,72.58 21.84,72.61 21.84,72.64 21.82,72.66 21.81,72.68 21.78,72.7 21.76,72.71 21.73,72.72 21.7,72.72 21.68,72.71 21.65,72.7 21.63,72.68 21.39,72.45 21.37,72.43 21.35,72.42 21.32,72.41 21.29,72.41 21.26,72.42 21.24,72.43 21.21,72.45 21.2,72.47 21.18,72.5 21.18,72.52 21.18,72.55 21.18,72.58 21.2,72.61 21.21,72.63 21.45,72.86 21.47,72.89 21.48,72.91 21.48,72.94 21.48,72.97 21.48,72.99 21.47,73.02 21.45,73.04 21.43,73.06 21.4,73.07 21.37,73.08 21.34,73.08 21.32,73.07 21.29,73.06 21.27,73.04 21.03,72.81 21.01,72.79 20.99,72.78 20.96,72.77 20.93,72.77 20.9,72.78 20.88,72.79 20.85,72.81 20.84,72.83 20.82,72.86 20.82,72.88 20.82,72.91 20.82,72.94 20.84,72.97 20.85,72.99 21.09,73.22 21.11,73.24 21.12,73.27 21.12,73.3 21.12,73.33 21.12,73.35 21.11,73.38 21.09,73.4 21.07,73.42 21.04,73.43 21.01,73.44 20.98,73.44 20.96,73.43 20.93,73.42 20.91,73.4 20.67,73.17 20.65,73.15 20.63,73.14 20.6,73.13 20.57,73.13 20.54,73.14 20.52,73.15 20.5,73.17 20.48,73.19 20.47,73.22 20.46,73.24 20.46,73.27 20.47,73.3 20.48,73.32 20.5,73.35 20.73,73.58 20.75,73.6 20.76,73.63 20.77,73.66 20.77,73.69 20.76,73.71 20.75,73.74 20.73,73.76 20.71,73.78 20.68,73.79 20.65,73.8 20.63,73.8 20.6,73.79 20.57,73.78 20.55,73.76 20.32,73.53 20.29,73.51 20.27,73.5 20.24,73.49 20.21,73.49 20.18,73.5 20.16,73.51 20.14,73.53 20.12,73.55 20.11,73.57 20.1,73.6 20.1,73.63 20.11,73.66 20.12,73.68 20.14,73.71 20.16,73.73 20.18,73.76 20.19,73.78 20.2,73.81 20.2,73.84 20.19,73.87 20.18,73.89 20.16,73.91 19.7,74.38 v1(19.7,74.7)